# Altium PCB 1,5mm_18um_4layers_std.PcbDoc (part 2 of 2)
Units mm, origin at the board's own origin, x right, y up, seen from the top; angles counter-clockwise.
Board outline 105 x 55 mm, 4 copper layers (Top Layer, Signal Layer 1, Signal Layer 2, Bottom Layer), stack 1.522 mm thick; 108 components, 93 nets, 450 pads, 319 vias.
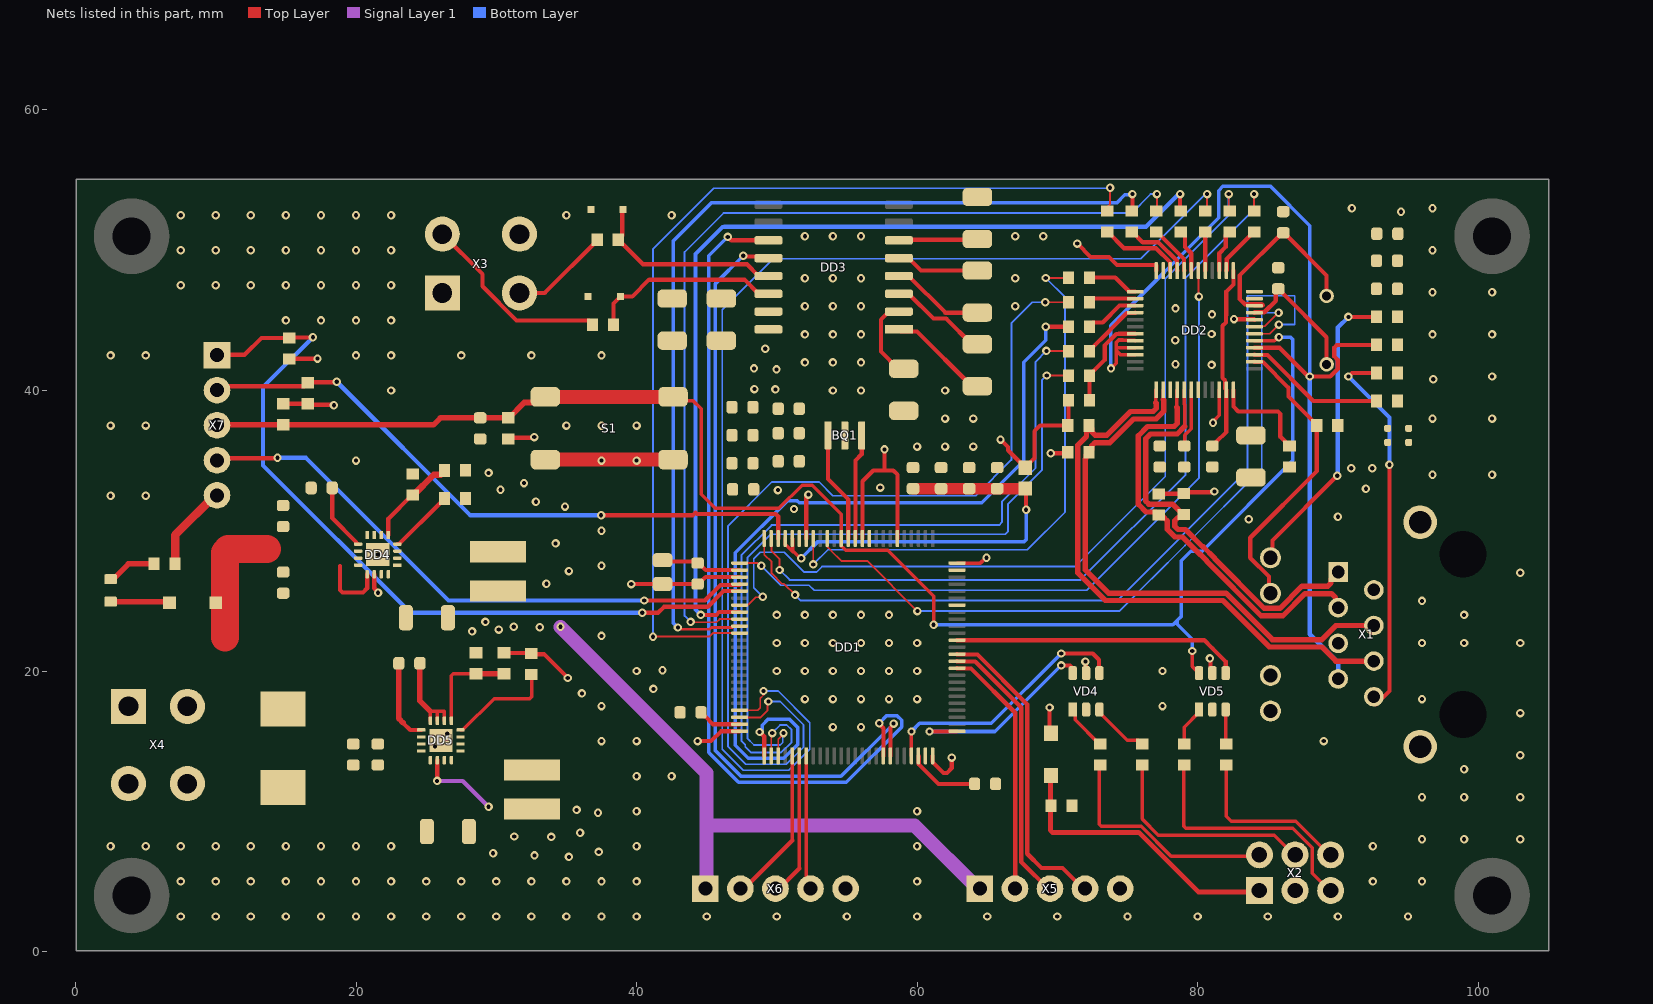
[diagram p4: the nets of this part, all layers, seen from the top]

## Via types
v1: diameter 0.6, hole 0.3, Top Layer to Bottom Layer, 277 vias
v2: diameter 0.6, hole 0.3, Top Layer to Bottom Layer, tented bottom, 42 vias

## Nets (pads, with @x,y where several pads share a name; then routed paths per layer and width w, separated by ;. In a path a pad name is that pad's centre, name@x,y a point inside that pad or via, vN(x,y) a via of type N, cw(c..) or ccw(c..) an arc to the next point about the centre after c; other vN are vias at no path point)
+3.3V: C1.2 C2.2 C3.2 C4.2 C5.2 C6.2 C7.2 C8.2 C9.2 C23.2 C24.2 C25.2 C26.2 C27.2 C32.1 C33.1 C41.2 DD1.6 DD1.11 DD1.19 DD1.28 DD1.50 DD1.75 DD1.100 DD2.22 DD2.32 DD2.48 DD3.16 DD5.14 L1.2 L3.2 R1.2 R14.1 R16.1 R17.1 R18.1 R19.1 R20.2 R21.2 R22.2 R23.1 R24.1 R32.1 R33.1 R34.1 R37.2 R40.1 VD3.2 VD4.5 VD5.5 X1.2 X1.5 | length 81.4
  Top Layer w0.25: DD1.100@62.85,27.7 64.521,27.7 64.896,28.075 v1(64.95,28.075) ; v1(81.1,37.7) 81.1,37.781 81.55,38.231 DD2.22@81.55,40.05
  Top Layer w0.3: R34.1@14.8,39.05 R33.1@16.55,39.05 16.612,38.988 18.387,38.988 v1(18.425,38.95) ; R32.1@15.25,42.25 15.263,42.263 17.238,42.263 v1(17.25,42.275) ; v1(25.781,12.167) 25.79,12.176 25.79,13.641 DD5.14@25.8,13.65 ; R40.1@30.55,21.3 30.575,21.275 32.475,21.275 R37.2@32.5,21.25 32.55,21.2 33.4,21.2 v1(35.1,19.5) ; R1.2@30.85,36.55 30.937,36.637 32.662,36.637 v1(32.7,36.675) ; v1(39.625,26.2) C1.2@41.85,26.2 C3.2@44.35,26.2 44.427,26.2 44.927,26.7 DD1.28@47.35,26.7 ; v1(44.35,15) 45.314,15 46.014,15.7 DD1.50@47.35,15.7 ; DD1.19@52.1,29.45 52.1,32.371 52.25,32.521 v1(52.25,32.575) ; DD1.11@56.1,29.45 56.1,33.525 56.875,34.3 57.763,34.3 ; v1(57.675,35.8) 57.675,34.388 57.763,34.3 ; DD1.6@58.6,29.45 58.6,33.999 58.299,34.3 57.763,34.3 ; DD1.75@61.1,13.95 61.1,13.525 61.888,12.737 62.137,12.737 62.475,13.075 v1(62.475,13.825) ; v1(65.95,36.5) 66.48,35.97 66.48,35.74 L1.2@67.71,34.51 ; L1.2@67.71,34.49 L1.2@67.71,34.51 ; v1(69.45,17.4) 69.45,15.65 VD3.2@69.55,15.55 ; v1(69.525,35.525) 70.675,35.525 R18.1@70.75,35.6 ; R14.1@70.8,39.3 70.8,37.5 R19.1@70.75,37.5 68.775,37.5 68.375,37.1 68.375,35.175 L1.2@67.71,34.51 ; v1(71.425,50.475) 72.375,49.525 73.675,49.525 74.263,48.937 77.025,48.937 77.05,48.912 DD2.48@77.05,48.55 ; v1(72,20.675) 72.025,20.65 72.025,19.875 VD4.5@72.05,19.85 ; R17.1@77.225,32.625 77.237,32.638 78.988,32.638 R16.1@79,32.65 79.093,32.743 81.143,32.743 v1(81.2,32.8) ; v1(80.875,20.9) 80.913,20.862 80.913,19.987 VD5.5@81.05,19.85 ; v1(82.594,45.094) 82.616,45.072 84.028,45.072 DD2.32@84.05,45.05
  Signal Layer 1 w0.3: v1(25.781,12.167) 27.608,12.167 v1(29.45,10.325)
  other v1: 35.175,6.75 32.725,6.85 29.775,7 37.3,7.1 33.925,8.175 31.275,8.2 35.975,8.475 37.25,9.9 35.725,10.1 50.075,32.9 49.9,40.075 48.4,40.1 49.975,41.5 48.375,41.575 49.175,42.975 94.5,52.75
+5V: C40.2 DD4.14 L2.2 R36.2 R38.2 X5.1 X6.1 | length 46
  Top Layer w0.3: DD4.14@21.3,26.9 21.3,25.904 21.575,25.629 v1(21.575,25.575)
  Signal Layer 1 w1: v1(34.575,23.15) 45,12.725 45,9 ; X6.1@45,4.313 45,9 ; X5.1@64.502,4.313 59.815,9 45,9
  other v1: 28.275,22.825 30.175,22.95 33.1,23.125 31.25,23.15 29.225,23.5 33.575,26.225 35.175,27.125 34.225,29.1 34.9,31.725 32.825,32.075 30.3,32.925 31.975,33.4 29.45,34.125
CONN_nRST: R30.1 X2.5 | length 17.9
  Top Layer w0.25: R30.1@79.05,13.3 79,13.25 79,8.946 79.146,8.8 86.775,8.8 88.17,7.405 88.17,5.585 X2.5@89.5,4.255
CONN_RS232_RXD: DD3.13 R27.2 VD2.1 | length 14.1
  Top Layer w0.3: VD2.1@39.05,52.9 38.975,52.825 38.975,51.025 R27.2@38.7,50.75 38.7,50.7 38.975,50.425 39.025,50.425 40.45,49 47.865,49 48.7,48.165 DD3.13@49.4,48.165
CONN_RS232_TXD: DD3.14 R26.2 VD1.1 | length 13.7
  Top Layer w0.3: R26.2@38.35,44.7 38.35,46.2 VD1.1@38.85,46.7 39.7,46.7 40.9,47.9 47.695,47.9 48.7,46.895 DD3.14@49.4,46.895
CONN_SWCLK: R28.1 X2.2 | length 16.6
  Top Layer w0.25: R28.1@73.05,13.3 73,13.25 73,9.071 73.146,8.925 75.976,8.925 78.106,6.795 X2.2@84.42,6.795
CONN_SWDIO: R29.1 X2.4 | length 15.9
  Top Layer w0.25: R29.1@76.05,13.3 76.05,9.45 77.2,8.3 85.455,8.3 X2.4@86.96,6.795
CONN_SWO: R31.1 X2.6 | length 12.3
  Top Layer w0.25: R31.1@82.05,13.3 82.05,9.65 82.4,9.3 86.995,9.3 X2.6@89.5,6.795
GND: BQ1.2 C1.1 C2.1 C3.1 C4.1 C5.1 C6.1 C7.1 C8.1 C9.1 C10.1 C11.2 C12.2 C13.2 C14.1 C15.2 C16.2 C17.2 C18.1 C19.1 C20.1 C21.1 C22.2 C23.1 C24.1 C25.1 C26.1 C27.1 C30.2 C31.2 C32.2 C33.2 C34.1 C35.1 C36.2 C37.2 C38.1 C39.1 C40.1 C41.1 DD1.10 DD1.20 DD1.27 DD1.74 DD1.94 DD1.99 DD2.15 DD2.19 DD2.35 DD2.36 DD2.47 DD3.15 DD4.0 DD4.6 DD4.7 DD4.8 DD4.15 DD4.16 DD5.0 DD5.6 DD5.7 DD5.8 DD5.15 DD5.16 R15.1 R25.1 R35.1 R39.2 R41.2 S1.2 VD1.2 VD2.2 VD4.2 VD5.2 VD7.1 X1.11 X1.12 X1.TP1 X2.3 X3.1 X3.4 X4.3 X4.4 X5.5 X6.5 X7.5 | length 27.7
  Top Layer w0.25: DD5.8@25.3,16.45 25.3,17.12 25.8,17.12 DD5.7@25.8,16.45 ; 25.8,17.125 26.3,17.125 DD5.6@26.3,16.45
  Top Layer w0.3: C1.1@41.85,27.9 41.95,27.8 44.25,27.8 C3.1@44.35,27.7 44.427,27.7 44.927,27.2 DD1.27@47.35,27.2
  Top Layer w0.4: C39.1@24.55,20.55 24.55,17.87 25.3,17.12
  Top Layer w0.6: R35.1@7.1,27.635 7.1,29.686 X7.5@9.964,32.55
  Top Layer w1: S1.2@33.5,35.07 S1.2@42.6,35.07
  other v1: 7.5,2.5 10,2.5 12.5,2.5 15,2.5 17.5,2.5 20,2.5 22.5,2.5 25,2.5 27.5,2.5 30,2.5 32.5,2.5 35,2.5 37.5,2.5 40,2.5 45,2.5 50,2.5 55,2.5 60,2.5 65,2.5 70,2.5 75,2.5 80,2.5 85,2.5 90,2.5 95,2.5 7.5,5 10,5 12.5,5 15,5 17.5,5 20,5 22.5,5 25,5 27.5,5 30,5 32.5,5 35,5 37.5,5 40,5 60,5 92.5,5 96,5 2.5,7.5 5,7.5 7.5,7.5 10,7.5 12.5,7.5 15,7.5 17.5,7.5 20,7.5 22.5,7.5 40,7.5 60,7.5 92.5,7.5 96,8 99,8 103,8 40,10 60,10 96,11 99,11 103,11 40,12.5 42.5,12.5 99,13 103,14 25.625,14.625 37.5,15 40,15 89,15 26.5,15.525 103,17 37.5,17.5 77.5,17.5 96,18 36.1,18.4 41.2,18.725 40,20 77.5,20 41.85,20.05 96,22 99,22 103,22 37.5,22.5 99,24 96,25 103,27 37.5,27.5 21.55,28.3 37.5,30 83.65,30.825 90,31 51.225,31.55 2.5,32.5 5,32.5 92,33 57.375,33.075 96.75,34 101,34 90.95,34.45 92.45,34.45 20,35 37.5,35 40,35 60,36 62,36 64,36 2.5,37.5 5,37.5 35,37.5 37.5,37.5 40,37.5 62,38 64,38 96.75,38 101,38 22.5,40 54,40 56,40 62,40 96.8,40.8 101,41 52,42 54,42 56,42 2.5,42.5 5,42.5 20,42.5 22.5,42.5 27.5,42.5 32.5,42.5 37.5,42.5 96.75,44 101,44 15,45 17.5,45 20,45 22.5,45 67,46 96.75,47 101,47 7.5,47.5 10,47.5 12.5,47.5 15,47.5 17.5,47.5 20,47.5 22.5,47.5 67,48 7.5,50 10,50 12.5,50 15,50 17.5,50 20,50 22.5,50 96.75,50 67,51 69,51 7.5,52.5 10,52.5 12.5,52.5 15,52.5 17.5,52.5 20,52.5 22.5,52.5 35,52.5 42.5,52.5 91,53 96.75,53
  other v2: 54,16 56,16 52,18 54,18 56,18 58,18 60,18 50,20 52,20 54,20 56,20 58,20 60,20 50,22 52,22 54,22 56,22 58,22 60,22 50,24 52,24 54,24 56,24 58,24 81,41.825 78.425,41.875 78.4,43.575 52,44 54,44 56,44 81,44.025 81.025,45.425 78.425,45.85 52,46 54,46 56,46 52,48 54,48 56,48 52,51 54,51 56,51
MCU_INT: DD1.23 R33.2 X7.2 | length 46
  Top Layer w0.3: X7.2@9.964,40.05 10.214,40.3 16.3,40.3 R33.2@16.55,40.55 16.587,40.587 18.588,40.587 v1(18.625,40.625) ; v1(37.475,31.1) 44,31.1 44.2,31.3 ; 44.3,31.2 49.924,31.2 50.1,31.024 DD1.23@50.1,29.45
  Bottom Layer w0.3: v1(18.625,40.625) 28.15,31.1 v1(37.475,31.1)
MCU_J1_A1: DD1.85 X5.2 | length 18.2
  Top Layer w0.3: DD1.85@62.85,20.2 62.875,20.175 63.85,20.175 67.003,17.023 X5.2@67.003,4.313
MCU_J1_A2: DD1.86 X5.3 | length 19.9
  Top Layer w0.3: DD1.86@62.85,20.7 62.875,20.675 64.15,20.675 67.428,17.397 67.428,6.388 X5.3@69.503,4.313
MCU_J1_D1: DD1.87 X5.4 | length 22.4
  Top Layer w0.3: DD1.87@62.85,21.2 62.875,21.175 64.3,21.175 67.852,17.623 67.852,6.973 68.875,5.95 70.365,5.95 X5.4@72.002,4.313
MCU_J2_A1: DD1.55 X6.2 | length 11.1
  Top Layer w0.25: 51.1,7.913 DD1.55@51.1,13.95
  Top Layer w0.3: X6.2@47.5,4.313 51.1,7.913
MCU_J2_A2: DD1.56 X6.3 | length 10.3
  Top Layer w0.25: 51.6,5.913 DD1.56@51.6,13.95
  Top Layer w0.3: X6.3@50,4.313 51.6,5.913
MCU_J2_D1: DD1.57 X6.4 | length 9.8
  Top Layer w0.25: X6.4@52.1,5.145 DD1.57@52.1,13.95
  Top Layer w0.3: X6.4@52.1,5.145 52.5,4.745 X6.4@52.5,4.313
MCU_MII_COL: DD1.26 DD2.42 | length 51.7
  Top Layer w0.129: DD1.26@47.35,27.7 48.646,27.7 48.846,27.5 v1(48.9,27.5) ; DD2.42@80.05,48.55 80.072,48.528 80.072,46.716 v1(80.094,46.694)
  Bottom Layer w0.129: v1(48.9,27.5) 50.283,26.117 52.296,26.117 52.658,25.756 72.098,25.756 80.094,33.751 v1(80.094,46.694)
MCU_MII_INT: DD1.53 R2.1 | length 51.3
  Top Layer w0.129: DD1.53@50.1,13.95 50.1,15.146 50.475,15.521 v1(50.475,15.575) ; v1(69.244,41.069) 70.781,41.069 R2.1@70.8,41.05
  Bottom Layer w0.129: v1(50.475,15.575) 50.422,15.522 50.422,14.901 50.246,14.725 48.375,14.725 47.899,15.201 47.899,28.074 49.575,29.75 66.299,29.75 66.475,29.926 66.475,31.9 68.9,34.325 68.9,40.725 v1(69.244,41.069)
MCU_MII_MDC: DD1.16 DD2.31 | length 52.1
  Top Layer w0.129: DD1.16@53.6,29.45 53.6,28.873 53.898,28.575 53.88,28.557 54.588,27.85 56.45,27.85 v1(60.025,24.275) ; DD2.31@84.05,44.55 84.075,44.575 84.775,44.575 85.74,45.54 v1(85.775,45.54)
  Bottom Layer w0.129: v1(60.025,24.275) 74.408,24.275 76.715,26.583 76.733,26.583 79.1,28.95 84.575,34.425 84.575,45.54 v1(85.775,45.54)
MCU_MII_MDIO: DD1.25 DD2.30 | length 62.3
  Top Layer w0.129: DD1.25@49.1,29.45 49.1,28.3 49.625,27.775 49.625,26.962 50.365,26.222 50.503,26.222 v1(51.3,25.425) ; DD2.30@84.05,44.05 85.15,44.05 v1(85.8,44.7)
  Bottom Layer w0.129: v1(51.3,25.425) 51.706,25.019 74.269,25.019 83.55,34.3 83.55,46.75 86.925,46.75 86.925,44.7 v1(85.8,44.7)
MCU_MII_RX_CLK: DD1.24 R13.1 | length 58
  Top Layer w0.129: DD1.24@49.6,29.45 49.625,29.425 49.625,28.553 50.2,27.978 v1(50.2,27.2) ; v1@84.025,53.95 84.025,52.987 83.944,52.906 R13.1@84.05,52.8
  Bottom Layer w0.129: v1(50.2,27.2) 50.908,26.492 53.439,26.492 71.642,26.492 79.142,33.992 79.142,48.042 84.025,52.925 v1@84.025,53.95
  other v1: 84.025,54
MCU_MII_RX_D_0: DD1.33 R7.1 | length 66.4
  Top Layer w0.3: v1(44.577,24.001) 45.692,24.001 45.891,24.2 DD1.33@47.35,24.2 ; v1@78.75,54.1 v1(78.75,54) 78.75,52.85 78.769,52.831 R7.1@78.8,52.8
  Bottom Layer w0.3: v1(44.577,24.001) 44.2,24.378 44.2,49.724 46.126,51.65 46.225,51.65 46.25,51.675 76.325,51.675 v1@78.75,54.1
MCU_MII_RX_D_1: DD1.34 R8.1 | length 66.8
  Top Layer w0.129: v1(43.85,23.5) 43.874,23.476 45.698,23.476 45.921,23.7 DD1.34@47.35,23.7 ; R8.1@77.05,52.8 77.044,52.806 77.1,52.862 v1(77.1,54)
  Bottom Layer w0.129: v1(43.85,23.5) 43.425,23.925 43.425,49.875 46.2,52.65 75.294,52.65 76.644,54 v1(77.1,54)
MCU_MII_RX_DV: DD1.32 R12.1 | length 61.1
  Top Layer w0.129: DD1.32@47.35,24.7 47.375,24.725 47.952,24.725 48.489,25.262 48.962,25.262 v1(49,25.3) ; v1(82.225,54) 82.225,52.875 R12.1@82.3,52.8
  Bottom Layer w0.129: v1(49,25.3) 48.35,25.95 48.35,27.995 48.827,28.471 50.523,28.471 51.944,27.05 52.828,27.05 53.228,27.45 53.263,27.45 71.275,27.45 77.693,33.868 77.693,47.968 82.193,52.468 82.193,53.968 v1(82.225,54)
MCU_MII_RX_ER: DD1.47 R11.1 | length 87.2
  Top Layer w0.129: DD1.47@47.35,17.2 48.649,17.2 48.825,17.376 48.825,18.063 49.05,18.288 v1(49.05,18.575) ; R11.1@80.55,52.8 80.494,52.856 80.675,53.038 v1(80.675,54) v1@80.675,54.125
  Bottom Layer w0.129: v1(49.05,18.575) 50.091,18.575 52.35,16.316 52.35,14.425 50.85,12.925 47.622,12.925 46.111,14.436 46.111,45.761 49.749,49.399 75.949,49.399 v1@80.675,54.125
MCU_MII_RXD2: DD1.35 R9.1 | length 67.6
  Top Layer w0.2: v1(42.95,23.1) 43.075,22.975 45.213,22.975 45.337,23.1 46.825,23.1 46.925,23.2 DD1.35@47.35,23.2
  Top Layer w0.3: R9.1@75.3,52.8 75.269,52.831 75.35,52.912 v1@75.35,53.95
  Bottom Layer w0.25: v1(42.95,23.1) 42.6,23.45 42.6,50.645 45.355,53.4 74.269,53.4 74.819,53.95 v1@75.35,53.95
  other v1: 75.35,54
MCU_MII_RXD3: DD1.36 R10.1 | length 70
  Top Layer w0.129: v1(41.175,22.45) 45.183,22.45 45.432,22.7 DD1.36@47.35,22.7 ; R10.1@73.533,53.067 73.762,53.296 v1(73.762,54.458)
  Top Layer w0.13: R10.1@73.55,52.8 R10.1@73.675,52.925
  Bottom Layer w0.129: v1(41.175,22.45) 41.175,50.1 45.5,54.425 73.729,54.425 v1(73.762,54.458)
MCU_MII_TX_CLK: DD1.18 R3.1 | length 40.2
  Top Layer w0.129: v1(52.6,27.6) DD1.18@52.6,29.45 ; v1(69.169,48.019) 70.769,48.019 R3.1@70.8,48.05
  Bottom Layer w0.129: v1(52.6,27.6) 53.65,28.65 67.862,28.65 70.55,31.338 70.55,46.638 v1(69.169,48.019)
MCU_MII_TXD_0: DD1.51 R5.1 | length 60.7
  Top Layer w0.3: v1(48.775,15.65) 49.1,15.325 DD1.51@49.1,13.95 ; v1(69.169,44.544) 70.794,44.544 R5.1@70.8,44.55
  Bottom Layer w0.25: v1(48.775,15.65) 48.95,15.825 48.95,16.124 49.401,16.575 50.889,16.575 51.475,15.989 51.475,14.752 50.498,13.775 47.974,13.775 47.049,14.7 47.049,28.426 50.748,32.125 51.463,32.125 51.588,32 64.6,32 67.6,35 67.6,42.013 69.169,43.582 v1(69.169,44.544)
MCU_MII_TXD_1: DD1.52 R6.1 | length 56.5
  Top Layer w0.129: DD1.52@49.6,13.95 49.6,15.446 v1(49.675,15.575) ; v1(69.219,42.819) 70.781,42.819 R6.1@70.8,42.8
  Bottom Layer w0.129: v1(49.675,15.575) 49.675,15.588 50.237,16.15 50.713,16.15 51.05,15.813 51.05,14.928 50.322,14.2 48.15,14.2 47.75,14.6 47.75,14.749 47.474,15.025 47.474,28.25 49.624,30.4 65.85,30.4 66.05,30.6 66.05,32.076 68.45,34.476 68.45,42.05 v1(69.219,42.819)
MCU_MII_TXD_EN: DD1.48 R4.1 | length 67.2
  Top Layer w0.129: DD1.48@47.35,16.7 47.375,16.675 48.822,16.675 49.343,17.196 49.343,17.768 v1(49.4,17.825) ; v1(69.144,46.294) 70.794,46.294 R4.1@70.8,46.3
  Bottom Layer w0.129: v1(49.4,17.825) 50.24,17.825 51.9,16.165 51.9,14.576 50.674,13.35 47.798,13.35 46.511,14.637 46.511,30.336 49.65,33.475 53.025,33.475 54,32.5 64.175,32.5 66.725,35.05 66.725,44.8 68.219,46.294 v1(69.144,46.294)
MCU_nKILL: DD1.29 X7.4 | length 42.2
  Top Layer w0.3: X7.4@9.964,35.05 10.076,35.162 14.362,35.162 v1(14.4,35.2) ; v1(40.55,25.025) 44.875,25.025 44.9,25.05 45.975,26.125 47.355,26.125 DD1.29@47.35,26.2
  Bottom Layer w0.3: v1(14.4,35.2) 16.425,35.2 26.6,25.025 v1(40.55,25.025)
MCU_nRST: C16.1 DD1.14 DD2.29 R1.1 R34.2 S1.1 VD5.6 X7.3 | length 114.9
  Top Layer w0.25: S1.1@42.6,39.55 42.875,39.275 44.025,39.275 44.6,38.7 44.6,32.6 45.6,31.6 50.15,31.6 51.8,33.25 52.525,33.25 54.6,31.175 DD1.14@54.6,29.45 54.6,28.908 54.725,28.783 54.908,28.6 57.9,28.6 61.178,25.322 v1(61.178,23.301) ; v1(79.625,21.425) 79.625,20.325 VD5.6@80.1,19.85 ; DD2.29@84.05,43.55 85.482,43.55 85.732,43.8 v1(85.8,43.8)
  Top Layer w0.4: X7.3@9.964,37.55 R34.2@14.8,37.55 25.525,37.55 26.025,38.05 C16.1@28.85,38.05 R1.1@30.85,38.05 30.9,38.05 31.992,39.142 33.093,39.142 S1.1@33.5,39.55
  Top Layer w1: S1.1@33.5,39.55 S1.1@42.6,39.55
  Bottom Layer w0.25: v1(61.178,23.301) 78.242,23.301 78.563,23.622 ; v1(79.625,21.425) 79.625,22.275 78.563,23.337 78.563,23.622 ; v1(85.8,43.8) 86.624,43.8 86.787,43.637 86.787,35.013 80.324,28.55 79.525,28.55 78.825,27.85 78.825,23.884 78.563,23.622
MCU_PB: DD1.30 R32.2 X7.1 | length 57.1
  Top Layer w0.3: X7.1@9.964,42.55 12.05,42.55 13.25,43.75 R32.2@15.25,43.75 15.275,43.775 16.9,43.775 v1(16.925,43.8) ; v1(40.4,24.15) 41.537,24.15 41.963,24.576 45.076,24.576 46.2,25.7 DD1.30@47.35,25.7
  Bottom Layer w0.3: v1(16.925,43.8) 13.375,40.25 13.375,34.65 23.875,24.15 v1(40.4,24.15)
MCU_SWCLK: DD1.76 VD4.6 | length 14.6
  Top Layer w0.25: v1(60.887,15.687) 62.838,15.687 DD1.76@62.85,15.7
  Top Layer w0.3: v1(70.275,20.4) 70.899,20.4 71.075,20.224 71.075,19.875 VD4.6@71.1,19.85
  Bottom Layer w0.25: v1(60.887,15.687) 65.538,15.687 65.55,15.675 v1(70.275,20.4)
MCU_SWDIO: DD1.72 VD4.4 | length 18.6
  Top Layer w0.25: DD1.72@59.6,13.95 v1(59.6,15.688)
  Top Layer w0.3: v1(70.275,21.25) 72.524,21.25 72.974,20.8 72.974,19.876 VD4.4@73,19.85
  Bottom Layer w0.25: v1(59.6,15.688) 60.175,16.262 65.287,16.262 v1(70.275,21.25)
MCU_SWO: DD1.89 VD5.4 | length 20.6
  Top Layer w0.3: DD1.89@62.85,22.2 80.478,22.2 81.039,21.639 82,20.678 VD5.4@82,19.85
MCU_USART1_RX: DD1.69 DD3.12 | length 55.3
  Top Layer w0.3: v1@47.638,49.562 49.273,49.562 DD3.12@49.4,49.435 ; DD1.69@58.1,13.95 58.1,15.971 58.325,16.196 v1(58.325,16.25)
  Bottom Layer w0.25: v1(47.6,49.6) 45.625,47.625 45.625,14.321 47.446,12.5 54.575,12.5 v1(58.325,16.25)
MCU_USART1_TX: DD1.68 DD3.11 | length 61.5
  Top Layer w0.3: v1(46.5,50.95) 46.504,50.95 46.749,50.705 DD3.11@49.4,50.705 ; v1(57.3,16.275) 57.3,16.221 57.6,15.921 DD1.68@57.6,13.95
  Bottom Layer w0.25: v1(46.5,50.95) 45.152,49.602 45.152,14.193 47.27,12.075 54.963,12.075 58.9,16.012 58.9,16.488 58.563,16.825 57.85,16.825 v1(57.3,16.275)
NetBQ1_1: BQ1.1 DD1.12 | length 7.5
  Top Layer w0.3: DD1.12@55.6,29.45 55.6,35 56.05,35.45 BQ1.1@56.05,36.8
NetBQ1_3: BQ1.3 DD1.13 | length 8
  Top Layer w0.3: BQ1.3@53.65,36.8 53.65,33.687 55.1,32.237 DD1.13@55.1,29.45
NetBQ2_1: BQ2.1 C17.1 DD2.34 | length 14.3
  Top Layer w0.3: DD2.34@84.05,46.05 84.075,46.075 84.652,46.075 84.577,46.15 83.373,46.15 83,46.523 83,48.2 86.05,51.25 C17.1@86.1,51.25 86.15,51.25 89.2,48.2 BQ2.1@89.2,46.74
NetBQ2_2: BQ2.2 C18.2 DD2.33 | length 9.6
  Top Layer w0.3: DD2.33@84.05,45.55 84.075,45.575 84.753,45.575 85.578,46.4 85.578,47.078 C18.2@85.75,47.25 85.773,47.25 86.019,47.004 86.019,46.981 89.2,43.8 BQ2.2@89.2,41.86
NetC10_2: C10.2 C12.1 C14.2 C15.1 DD1.21 DD1.22 L1.1 | length 31.2
  Top Layer w0.25: DD1.22@50.6,29.45 50.6,29.025 51.13,28.495 51.205,28.495 ; DD1.21@51.1,29.45 51.125,29.425 51.125,28.575 51.205,28.495 ; v1(51.74,28.042) 51.658,28.042 51.205,28.495
  Top Layer w0.3: L1.1@67.71,33.01 67.7,33 67.775,32.925 v1(67.775,31.5)
  Top Layer w0.8: C10.2@59.71,33 C14.2@61.71,33 C12.1@63.71,33 C15.1@65.71,33 L1.1@67.7,33
  Bottom Layer w0.25: v1(51.74,28.042) 51.742,28.042 52.9,29.2 67.599,29.2 67.775,29.376 v1(67.775,31.5)
NetC11_1: C11.1 DD1.73 | length 5.2
  Top Layer w0.3: DD1.73@60.1,13.95 60.125,13.925 60.125,13.348 61.523,11.95 C11.1@64.1,11.95
NetC13_1: C13.1 DD1.49 | length 3.1
  Top Layer w0.3: C13.1@44.6,17.05 44.6,17.027 44.846,16.781 44.869,16.781 45.45,16.2 DD1.49@47.35,16.2
NetC19_2: C19.2 C20.2 C21.2 C22.1 DD2.18 DD2.23 DD2.37 | length 17.6
  Top Layer w0.25: C20.2@79.05,36.05 79.095,36.095 79.095,36.825 79.55,37.28 DD2.18@79.55,40.05
  Top Layer w0.3: C21.2@81.05,36.05 81.073,36.05 81.319,36.296 81.319,36.319 82.05,37.05 DD2.23@82.05,40.05 81.95,40.15 81.95,40.727 81.775,40.902 81.775,44.612 82.019,44.856 82.019,45.332 82.05,45.363 82.05,47.05 82.55,47.55 DD2.37@82.55,48.55
NetC28_1: C28.1 DD3.1 | length 7.3
  Top Layer w0.3: DD3.1@58.7,44.355 58.85,44.205 59.995,44.205 63.9,40.3 C28.1@64.3,40.3
NetC28_2: C28.2 DD3.3 | length 7.1
  Top Layer w0.3: DD3.3@58.7,46.895 59.4,46.895 61.17,45.125 62.075,45.125 63.9,43.3 C28.2@64.3,43.3
NetC29_1: C29.1 DD3.4 | length 6.7
  Top Layer w0.3: DD3.4@58.7,48.165 59.4,48.165 62.015,45.55 C29.1@64.3,45.55
NetC29_2: C29.2 DD3.5 | length 6
  Top Layer w0.3: DD3.5@58.7,49.435 59.4,49.435 60.285,48.55 C29.2@64.3,48.55
NetC30_1: C30.1 DD3.6 | length 5.6
  Top Layer w0.3: DD3.6@58.7,50.705 58.748,50.753 64.253,50.753 C30.1@64.3,50.8
NetC31_1: C31.1 DD3.2 | length 5.9
  Top Layer w0.3: DD3.2@58.7,45.625 58,45.625 57.425,45.05 57.425,42.775 58.65,41.55 C31.1@59.05,41.55
NetC38_2: C38.2 DD4.9 | length 4.8
  Top Layer w0.3: C38.2@18.3,33.05 18.3,30.9 20,29.2 20,29.08 20.03,29.05 DD4.9@20.15,29.05
NetC39_2: C39.2 DD5.9 | length 5.9
  Top Layer w0.3: 23.361,16.307 23.868,15.8 DD5.9@24.65,15.8
  Top Layer w0.4: C39.2@23.05,20.55 23.05,16.618 23.361,16.307
NetDD2_1: DD2.1 R3.2 | length 3.7
  Top Layer w0.3: R3.2@72.3,48.05 74.125,48.05 75.125,47.05 DD2.1@75.55,47.05
NetDD2_2: DD2.2 R4.2 | length 3.4
  Top Layer w0.3: R4.2@72.3,46.3 72.55,46.55 DD2.2@75.55,46.55
NetDD2_3: DD2.3 R5.2 | length 3.9
  Top Layer w0.3: R5.2@72.3,44.55 72.3,44.6 72.55,44.85 73.238,44.85 74.437,46.05 DD2.3@75.55,46.05
NetDD2_4: DD2.4 R6.2 | length 4.4
  Top Layer w0.3: R6.2@72.3,42.8 72.3,42.85 73.749,44.299 73.749,44.326 74.948,45.525 75.525,45.525 DD2.4@75.55,45.55
NetDD2_7: DD2.7 R2.2 R14.2 | length 6.9
  Top Layer w0.3: R14.2@72.3,39.3 R2.2@72.3,41.05 72.3,41.1 73.375,42.175 73.375,43.2 74.2,44.025 74.376,44.025 74.401,44.05 DD2.7@75.55,44.05
NetDD2_8: DD2.8 DD2.9 DD2.10 DD2.28 R21.1 X1.7 | length 74.8
  Top Layer w0.25: v1(73.825,41.575) 74.2,41.95 74.2,42.85 ; DD2.10@75.55,42.55 74.5,42.55 74.2,42.85 ; DD2.9@75.55,43.05 74.287,43.05 74.2,43.137 ; DD2.8@75.55,43.55 75.525,43.575 74.701,43.575 74.676,43.6 74.376,43.6 74.2,43.424 74.2,43.137 ; 74.2,42.85 74.2,43.137
  Top Layer w0.3: DD2.28@84.05,43.05 85.838,43.05 87.888,41 v1(88,41) 89.457,41 89.99,41.533 89.99,42.187 89.75,42.427 89.75,43.074 89.926,43.25 R21.1@92.75,43.25
  Bottom Layer w0.25: v1(73.825,41.575) 73.825,44.63 81.5,52.305 81.5,54.25 81.8,54.55 85.2,54.55 88,51.75 v1(88,41)
  Bottom Layer w0.3: v1(88,41) 88,22.621 90.025,20.596 X1.7@90.025,19.435
NetDD2_24: DD2.24 R15.2 | length 7.3
  Top Layer w0.3: DD2.24@82.55,40.05 82.55,38.85 82.9,38.5 85.724,38.5 85.9,38.324 85.9,36.7 86.25,36.35 86.25,36.3 86.5,36.05 R15.2@86.55,36.05
NetDD2_26: DD2.26 R22.1 X1.10 | length 21.3
  Top Layer w0.3: DD2.26@84.05,42.05 84.075,42.025 84.652,42.025 86.489,40.189 86.489,39.561 88.5,37.55 R22.1@88.5,37.5 88.5,34.25 83.75,29.5 83.75,28.07 85.085,26.735 85.085,25.645 X1.10@85.195,25.535
NetDD2_27: DD2.27 R20.1 | length 10.1
  Top Layer w0.3: DD2.27@84.05,42.55 84.075,42.525 84.975,42.525 88.25,39.25 R20.1@92.75,39.25
NetDD2_38: DD2.38 R13.2 | length 3.6
  Top Layer w0.3: DD2.38@82.05,48.55 82.075,48.575 82.075,49.375 84,51.3 R13.2@84.05,51.3
NetDD2_39: DD2.39 R12.2 | length 3.1
  Top Layer w0.3: DD2.39@81.55,48.55 81.55,49.787 82,50.238 82,51.05 82.25,51.3 R12.2@82.3,51.3
NetDD2_41: DD2.41 R11.2 | length 2.8
  Top Layer w0.3: DD2.41@80.55,48.55 R11.2@80.55,51.3
NetDD2_43: DD2.43 R7.2 | length 3.1
  Top Layer w0.3: R7.2@78.8,51.3 78.85,51.3 79.1,51.05 79.1,50.237 79.55,49.788 DD2.43@79.55,48.55
NetDD2_44: DD2.44 R8.2 | length 3.6
  Top Layer w0.3: R8.2@77.05,51.3 77.1,51.3 79.025,49.375 79.025,48.575 DD2.44@79.05,48.55
NetDD2_45: DD2.45 R9.2 | length 4.8
  Top Layer w0.3: R9.2@75.3,51.3 75.35,51.3 76.087,50.564 77.215,50.564 78.525,49.253 78.525,48.575 DD2.45@78.55,48.55
NetDD2_46: DD2.46 R10.2 | length 6
  Top Layer w0.3: R10.2@73.55,51.3 73.6,51.3 74.762,50.139 77.039,50.139 78.025,49.152 78.025,48.575 DD2.46@78.05,48.55
NetDD4_1: DD4.1 DD4.2 DD4.3 L2.1
NetDD4_4: DD4.4 R36.1 | length 4.7
  Top Layer w0.3: DD4.4@22.95,29.05 23.07,29.05 26.02,32 26.05,32 26.3,32.25 R36.1@26.3,32.3
NetDD4_5: DD4.5 R38.1 R39.1 | length 6.6
  Top Layer w0.3: DD4.5@22.3,29.7 22.3,30.85 24,32.55 R39.1@24.05,32.55
  Top Layer w0.45: R39.1@24.05,32.55 24.1,32.55 25.55,34 26.05,34 26.3,34.25 R38.1@26.3,34.3
NetDD5_1: DD5.1 DD5.2 DD5.3 L3.1
NetDD5_4: DD5.4 R37.1 | length 7.7
  Top Layer w0.25: DD5.4@27.45,15.8 27.62,15.8 29.854,18.034 32.391,18.034 32.537,18.18 32.537,19.713 R37.1@32.5,19.75
NetDD5_5: DD5.5 R40.2 R41.1 | length 7
  Top Layer w0.25: DD5.5@26.8,16.45 26.8,19.654 26.946,19.8 R41.1@28.55,19.8
  Top Layer w0.4: R41.1@28.55,19.8 R40.2@30.55,19.8
NetHL1_1: HL1.1 VD6.2 | length 3.9
  Top Layer w0.25: VD6.2@6.382,24.93 VD6.2@6.421,24.891
  Top Layer w0.4: HL1.1@2.565,24.93 VD6.2@6.382,24.93
NetHL1_2: HL1.2 R35.2 | length 3.4
  Top Layer w0.4: HL1.2@2.665,26.53 3.77,27.635 R35.2@5.6,27.635
NetR23_2: R23.2 X1.9 | length 22
  Top Layer w0.3: X1.9@85.33,27.515 85.33,29.297 v1(89.95,33.917) ; v1(90.75,45.25) R23.2@92.75,45.25
  Bottom Layer w0.3: v1(89.95,33.917) 89.99,33.957 89.99,44.49 v1(90.75,45.25)
NetR24_2: R24.2 X1.8 | length 27.1
  Top Layer w0.3: v1(90.75,41) 91,41.25 R24.2@92.75,41.25 ; X1.8@92.7,17.605 93.675,18.58 v1(93.675,34.7)
  Bottom Layer w0.3: v1(90.75,41) 93.675,38.075 v1(93.675,34.7)
NetR25_2: R25.2 VD3.1 X2.1 | length 20.7
  Top Layer w0.35: VD3.1@69.55,12.55 69.5,12.5 69.5,10.4 69.5,8.646 69.646,8.5 75.8,8.5 80.045,4.255 X2.1@84.42,4.255
NetR26_1: R26.1 X3.2 | length 13.9
  Top Layer w0.3: X3.2@26.15,51.15 29.007,48.293 29.007,47.436 31.443,45 36.6,45 36.85,44.75 R26.1@36.85,44.7
NetR27_1: R27.1 X3.3 | length 7.2
  Top Layer w0.3: X3.3@31.65,46.95 33.45,46.95 37.2,50.7 R27.1@37.2,50.75
NetR28_2: R28.2 VD4.1 | length 3.3
  Top Layer w0.25: VD4.1@71.1,17.25 71.275,17.075 71.275,16.525 73,14.8 R28.2@73.05,14.8
NetR29_2: R29.2 VD4.3 | length 4.2
  Top Layer w0.25: VD4.3@73,17.25 73,17.05 74.975,15.075 75.775,15.075 R29.2@76.05,14.8
NetR30_2: R30.2 VD5.1 | length 2.9
  Top Layer w0.25: R30.2@79.05,14.8 79.05,16 80.1,17.05 VD5.1@80.1,17.25
NetR31_2: R31.2 VD5.3 | length 2.5
  Top Layer w0.25: VD5.3@82,17.25 82,14.85 R31.2@82.05,14.8
PHY_RD_N: DD2.13 R19.2 X1.6 | length 41.9
  Top Layer w0.25: 77.019,39.135 DD2.13@77.019,40.05
  Top Layer w0.381: 77.019,39.135 77.05,39.104 77.05,38.723 76.827,38.5 75.214,38.5 73.53,36.816 72.683,36.816 72.459,37.039 72.459,37.291 R19.2@72.25,37.5 72.075,37.325 72.075,36.721 71.465,36.112 71.465,26.985 73.425,25.025 81.8,25.025 85.115,21.71 88.854,21.71 89.859,20.705 X1.6@92.565,20.705
PHY_RD_P: DD2.14 R18.2 X1.4 | length 39.8
  Top Layer w0.25: 77.55,39.355 DD2.14@77.55,40.05
  Top Layer w0.381: 77.55,39.355 77.581,39.324 77.581,38.503 77.047,37.969 75.434,37.969 73.75,36.285 72.683,36.285 72.459,36.061 72.459,35.81 R18.2@72.25,35.6 72.04,35.391 72.04,35.161 71.996,35.117 71.996,27.204 73.645,25.556 82.019,25.556 85.335,22.24 88.854,22.24 89.859,23.245 X1.4@92.565,23.245
PHY_TD_N: DD2.16 R17.2 X1.3 | length 29.7
  Top Layer w0.25: 78.519,38.803 DD2.16@78.519,40.019
  Top Layer w0.381: 78.519,38.803 78.55,38.772 78.55,37.654 78.327,37.431 76.43,37.431 75.769,36.77 75.769,31.9 76.335,31.335 77.016,31.335 R17.2@77.225,31.125 77.435,30.916 77.624,30.916 77.847,30.692 77.847,30.09 78.381,29.555 78.917,29.555 80.142,28.33 80.184,28.33 80.67,27.844 80.67,27.802 84.534,23.939 86.089,23.939 87.67,25.52 89.547,25.52 89.83,25.236 89.83,24.71 X1.3@90.025,24.515
PHY_TD_P: DD2.17 R16.2 X1.1 | length 29.8
  Top Layer w0.25: 79.05,39.023 DD2.17@79.05,40.05 ; 79.081,37.434 79.081,38.992
  Top Layer w0.381: 79.081,37.434 78.547,36.9 76.65,36.9 76.3,36.55 76.3,32.124 76.523,31.9 78.2,31.9 78.95,31.15 R16.2@79,31.15 78.791,30.94 78.601,30.94 78.378,30.717 78.378,30.309 78.601,30.086 79.137,30.086 80.362,28.861 80.404,28.861 81.201,28.064 81.201,28.022 84.754,24.47 85.869,24.47 87.45,26.05 89.292,26.05 89.515,26.274 89.515,26.545 X1.1@90.025,27.055
VIN: C34.2 C35.2 C36.1 C37.1 DD4.10 DD4.11 DD4.12 DD4.13 DD5.10 DD5.11 DD5.12 DD5.13 VD6.1 VD7.2 X4.1 X4.2 | length 14
  Top Layer w0.3: 18.847,27.483 18.847,25.781 19.025,25.603 20.498,25.603 20.8,25.905 DD4.13@20.8,26.9
  Top Layer w2: 10.65,22.375 10.65,28.454 10.886,28.689 13.64,28.689
pads on no net: DD1.1 DD1.2 DD1.3 DD1.4 DD1.5 DD1.7 DD1.8 DD1.9 DD1.15 DD1.17 DD1.31 DD1.37 DD1.38 DD1.39 DD1.40 DD1.41 DD1.42 DD1.43 DD1.44 DD1.45 DD1.46 DD1.54 DD1.58 DD1.59 DD1.60 DD1.61 DD1.62 DD1.63 DD1.64 DD1.65 DD1.66 DD1.67 DD1.70 DD1.71 DD1.77 DD1.78 DD1.79 DD1.80 DD1.81 DD1.82 DD1.83 DD1.84 DD1.88 DD1.90 DD1.91 DD1.92 DD1.93 DD1.95 DD1.96 DD1.97 DD1.98 DD2.5 DD2.6 DD2.11 DD2.12 DD2.20 DD2.21 DD2.25 DD2.40 DD3.7 DD3.8 DD3.9 DD3.10 X1.

## Polygon pours and split planes (outlines as drawn)
+3.3V on Top Layer "VIN_POLY" (solid, pour order 18): 93.5,53.5 95.75,53.5 95.75,36.75 89.25,36.75 89.25,38.25 93.5,38.25
GND on Top Layer "VIN_POLY" (solid, pour order 56): 0.1,54.925 0.175,54.925 105.1,54.925 105.1,0.475 104.725,0.1 0.05,0.1
+3.3V on Top Layer "VIN_POLY" (solid, pour order 40): 40.775,44.925 50.75,44.925 50.934,32.709 50.6,32.375 50.15,31.925 47.6,31.925 47.6,41.875 47.475,42 47.275,41.8 40.775,41.8
GND on Top Layer "VIN_POLY" (solid, pour order 58): 24.325,27.4 24.3,27.375 24.3,21.525 12.5,21.525 12.5,27.33
NetC19_2 on Top Layer "VIN_POLY" (solid, pour order 32): 85.6,38 85.5,37.9 85.5,35.3 75.9,35.3 75.8,35.4 76.1,35.7 76.1,38
NetDD4_1 on Top Layer "VIN_POLY" (solid, pour order 26): 22.479,28.804 22.504,28.778 22.504,27.33 22.53,27.33 22.835,27.026 33.071,27.026 33.071,31.039 33.02,31.09 32.995,31.064 26.01,31.064 23.825,28.88
GND on Top Layer "VIN_POLY" (solid, pour order 22): 15.782,35.467 25.039,36.036 24.632,29.292 15.782,29.142
GND on Top Layer "VIN_POLY" (solid, pour order 20): 26.01,14.097 27.153,14.097 27.153,11.938 25.502,10.287 24.766,11.023
GND on Top Layer "VIN_POLY" (solid, pour order 12): 24.105,22.225 29.566,22.225 29.566,20.447 26.45,20.447 26.45,17.12 24.15,17.12
VIN on Top Layer "VIN_POLY" (solid, pour order 10): 22.2,15.494 22.479,15.57 25.5,15.57 25.5,13.22 22.351,13.793
GND on Top Layer "VIN_POLY" (solid, pour order 4): 23,13.75 0,13.75 0,0.1 0.05,0.05 26,0.05 26,10.75 26,11.75 23,11.75
+5V on Top Layer "VIN_POLY" (solid, pour order 30): 27.2,35.173 25.775,26.4 25.775,22.425 34.85,22.425 35.75,23.325 35.75,35.173
VIN on Top Layer "VIN_POLY" (solid, pour order 14): 20.5,30.937 20.5,26.441 13.64,26.441 13.64,30.937
NetDD5_1 on Top Layer "VIN_POLY" (solid, pour order 8): 29.75,12.25 35.5,12.25 35.5,17 29.75,17 27.45,15.304 27.45,14.32
+3.3V on Top Layer "VIN_POLY" (solid, pour order 6): 27.25,11 27.25,6.25 38,6.25 38,11
no net on Top Layer "VIN_POLY" (solid, pour order 2): 0,13.5
VIN on Top Layer "VIN_POLY" (solid, pour order 0): 0,14.5 22.5,14.5 22.5,18.75 18.75,22.5 0,22.5
+3.3V on Signal Layer 1 "VIN_POLY" (solid, pour order 48): 24.154,19.546 105,19.546 105,0.1 24.051,0.192
+3.3V on Signal Layer 1 "VIN_POLY" (solid, pour order 50): 41.525,18.198 41.525,55.025 104.55,55.025 104.65,55.125 104.85,54.925 104.85,18.4
+3.3V on Signal Layer 1 "VIN_POLY" (solid, pour order 52): 0.223,55 42.1,55 42.125,55.025 42.35,54.8 42.35,37.25 0.1,37.25 0,37.15
+3.3V on Signal Layer 1 "VIN_POLY" (solid, pour order 44): 0.05,55.05 43.1,55.05 43.1,0.147 0.1,0.1
+5V on Signal Layer 1 "VIN_POLY" (solid, pour order 42): 20.453,31.003 26.075,36.625 40.075,36.625 40.075,20.675 39.975,20.775 20.552,20.775
GND on Signal Layer 2 "VIN_POLY" (solid, pour order 46): 0.025,55.05 105.025,55.05 105.025,0.1 104.925,0 0,0
GND on Bottom Layer "VIN_POLY" (solid, pour order 60): 0.1,55 105,55 105,0.1 0.1,0.1

## Other copper
Signal Layer 1:
  pour cut-out: 43.125,37.925
  pour cut-out: 41.15,63.975

## Silkscreen, mask and mechanical layers (free items; w line width, h text height)
Top Overlay:
  text "Сигналы" at 0.5,45.25 h4
  text "Дисплей" at 23.65,40.925 h4
  text "RESET" at 33.25,31.5 h4
  text "Ethernet" at 91.25,31 h4
  text "ВКЛ" at 1.75,27.5 h2
  text "Питание" at 0.4,19.975 h4
  text "Отладка" at 81.325,10.425 h4
  text "Джойстик 1" at 41.775,7.35 h4
  text "Джойстик 2" at 61.125,7.35 h4
  text ".designation" at 8.8,1.1 h2
Bottom Overlay:
  text ".pcb_dec_number" at 25.3,1.1 h2
Board:
  the board outline again, w0.1
Assembly Notes (Mech5):
  text "'.title'" at 8.55,59.35 h2
  text "'.project'_'.pcb_dec_number'['.Pcb_File_Name_No_Path']" at 8.8,57.6 h2